# Altium PCB mantarray_beta2_sensor_arrayed.PcbDoc (part 12 of 14)
Units mil, origin at the board's own origin, x right, y up, seen from the top; angles counter-clockwise.
Board outline 6232.47 x 10167.51 mil, 8 copper layers (Layer1_Top, Layer2_sig1, Layer3_AVDD_PLANE, Layer4_GND_PLANE, Layer5_DVDD_PLANE, Layer6_BUS, Layer7_sig2, Layer8_BOT), stack 50.224 mil thick; 470 components, 492 nets, 4650 pads, 3798 vias.
Unrouted connection lines stored in the file: 3.
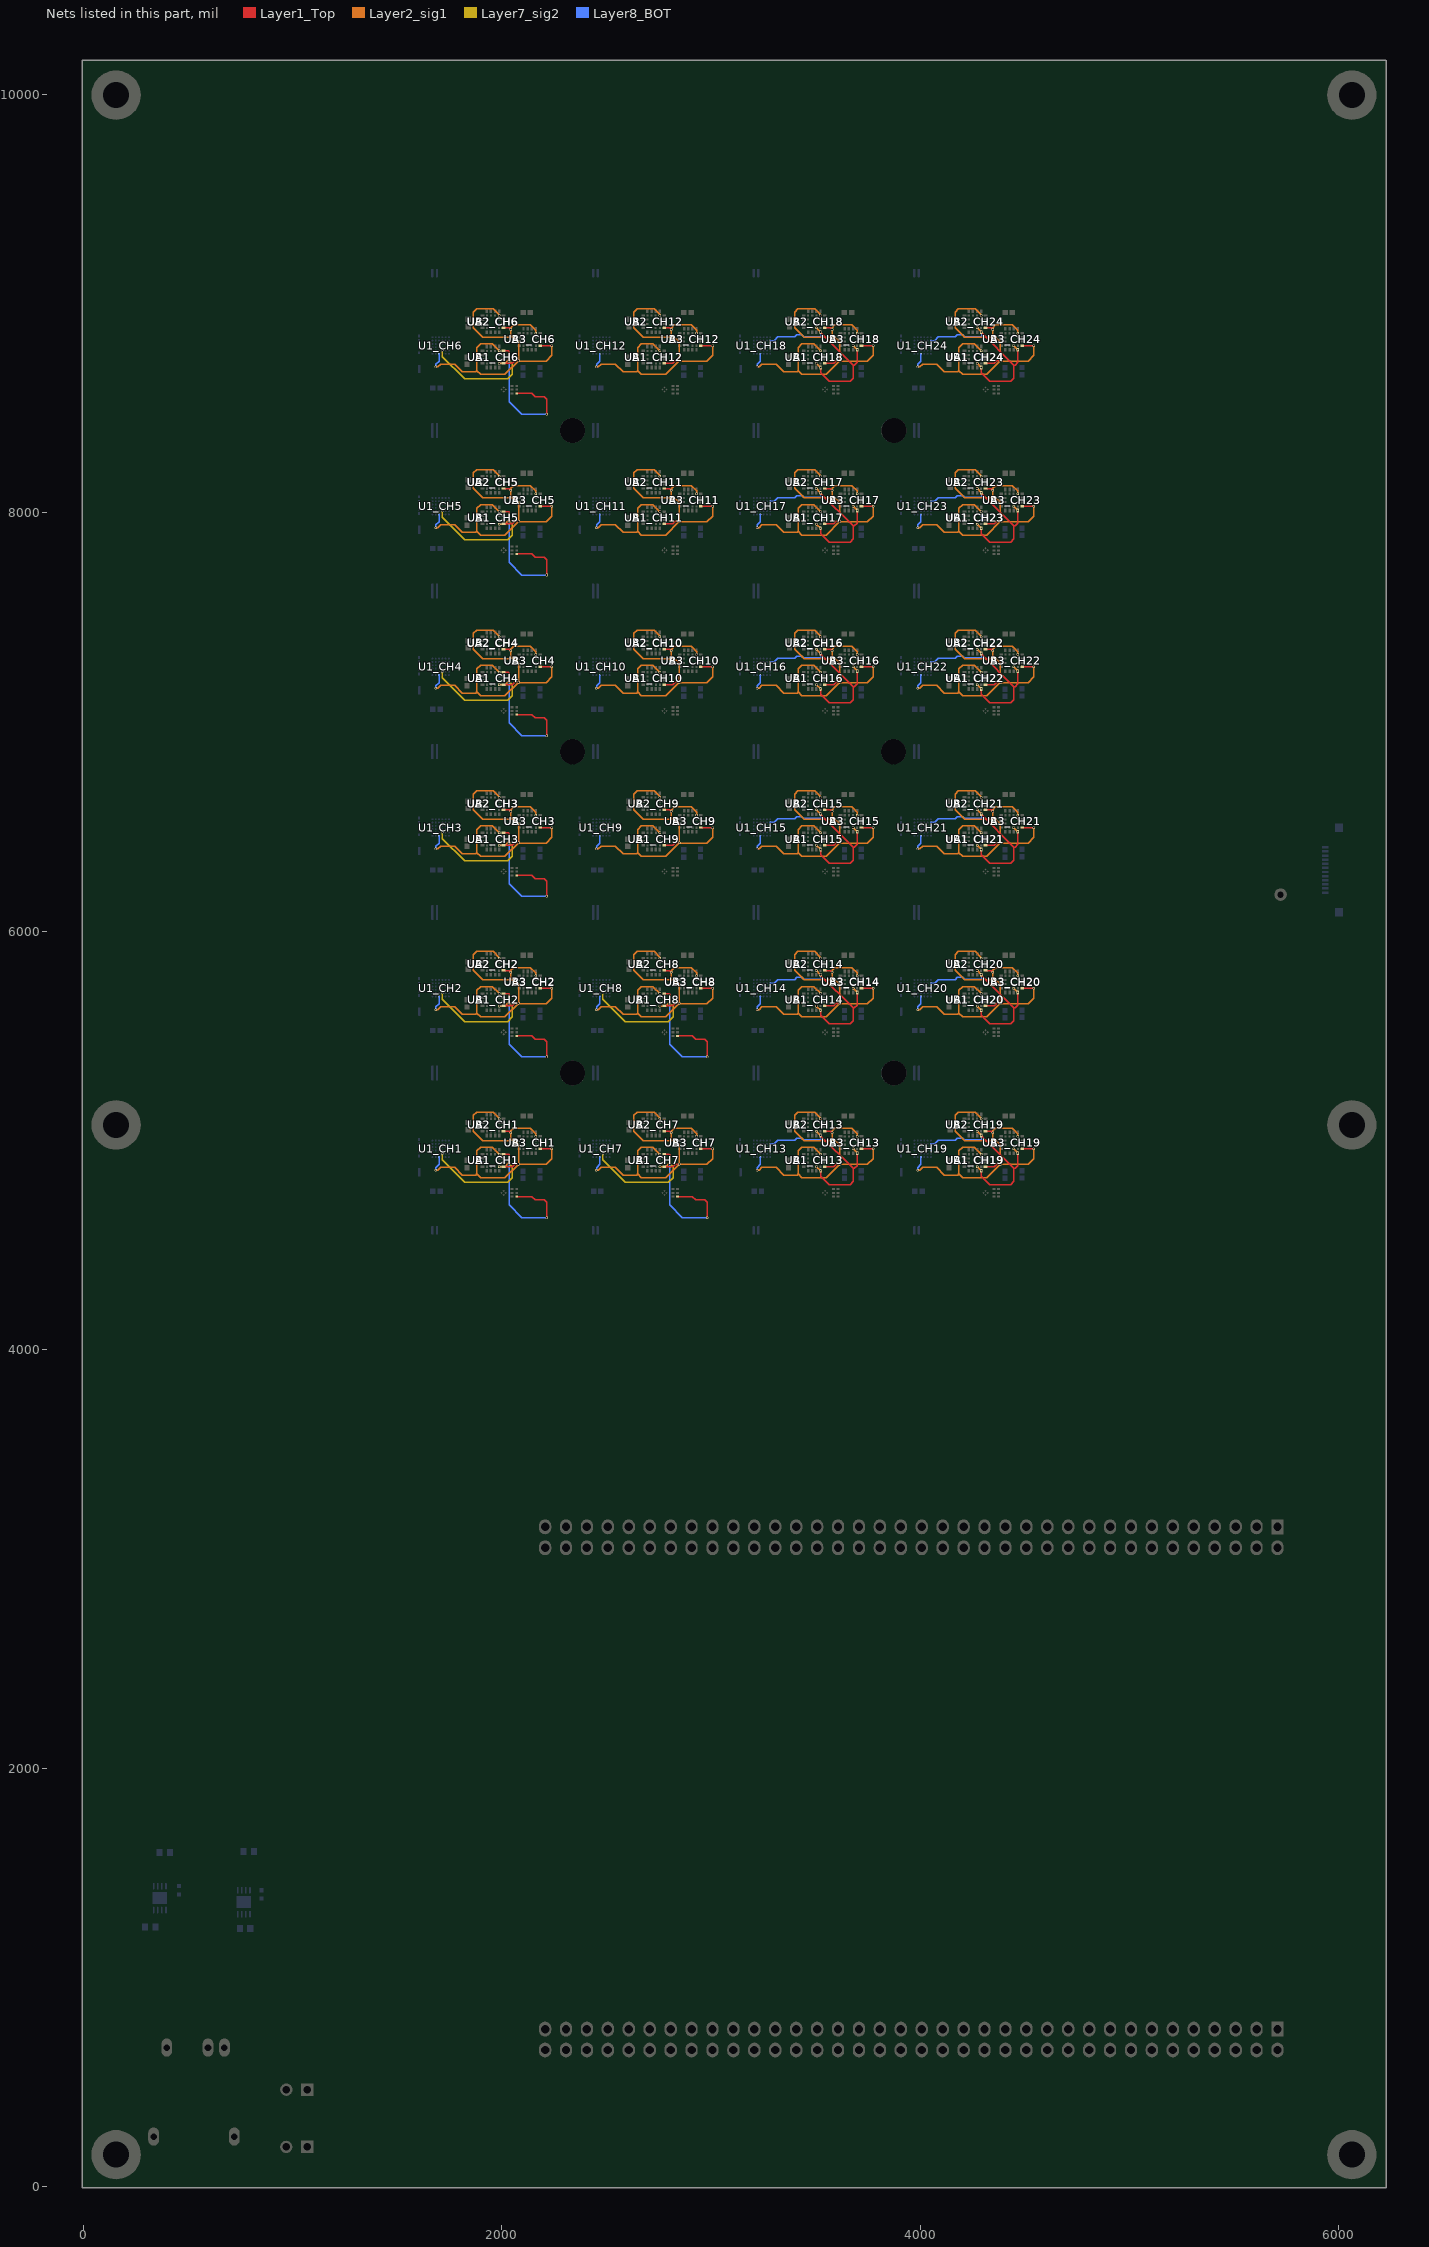
[diagram p18: the nets of this part, all layers, seen from the top]

## Via types
v1: diameter 12/12/12/12/12 (per signal layer), hole 7.87, Layer1_Top to Layer8_BOT, 2208 vias
v2: diameter 32, hole 20, Layer1_Top to Layer8_BOT, 815 vias
v3: diameter 10/10/10/10/10 (per signal layer), hole 7.87, Layer1_Top to Layer8_BOT, 456 vias
v4: diameter 18, hole 8, Layer6_BUS to Layer7_sig2, 102 vias
v5: diameter 10/10 (per signal layer), hole 7.87, Layer7_sig2 to Layer8_BOT, 96 vias
v6: diameter 18, hole 16, Layer1_Top to Layer8_BOT, 57 vias
v7: diameter 12, hole 7.87, Layer1_Top to Layer8_BOT, 26 vias
v8: diameter 18, hole 8, Layer1_Top to Layer8_BOT, 17 vias
v9: diameter 32, hole 16, Layer1_Top to Layer8_BOT, 10 vias
v10: diameter 19.68, hole 7.87, Layer1_Top to Layer8_BOT, 4 vias
v11: diameter 30, hole 20, Layer1_Top to Layer8_BOT, 3 vias
v12: diameter 70.87, hole 47.24, Layer1_Top to Layer8_BOT, 2 vias
v13: diameter 20, hole 16, Layer3_AVDD_PLANE to Layer8_BOT, 1 vias
v14: diameter 20, hole 16, Layer5_DVDD_PLANE to Layer8_BOT, 1 vias

## Nets (pads, with @x,y where several pads share a name; then routed paths per layer and width w, separated by ;. In a path a pad name is that pad's centre, name@x,y a point inside that pad or via, vN(x,y) a via of type N, cw(c..) or ccw(c..) an arc to the next point about the centre after c; other vN are vias at no path point) (continued)
spi1_mosi_CH13: U1_CH13.B1 UA1_CH13.9 UA2_CH13.9 UA3_CH13.9 UB1_CH13.16 UB2_CH13.16 UB3_CH13.16 | length 941.5
  Layer1_Top w6: v1(3523.62,5025.59) 3523.62,5023.52 3680.53,4866.6 ; v1(3524.12,4855.73) 3524.12,4830.22 3564.96,4789.37 3665.35,4789.37 3680.53,4804.55 3680.53,4866.6 ; v1(3698.82,4940.94) 3698.82,4879.92 3685.5,4866.6 3680.53,4866.6
  Layer2_sig1 w6: v1(3503.94,5045.28) v1(3523.62,5025.59) ; v1(3504.43,4875.21) 3504.53,4875.21 3524.01,4855.73 v1(3524.12,4855.73) ; v1(3679.13,4960.63) v1(3698.82,4940.94)
  Layer8_BOT w6: U1_CH13.B1@3283.46,4984.25 3284,4984.79 3301.72,4984.79 3318.9,5001.97 3399.61,5001.97 3409.45,5011.81 3435.04,5011.81 3436.99,5009.86 3442.91,5003.94 3527.56,5003.94 3527.56,5021.65 v1(3523.62,5025.59)
spi1_mosi_CH14: U1_CH14.B1 UA1_CH14.9 UA2_CH14.9 UA3_CH14.9 UB1_CH14.16 UB2_CH14.16 UB3_CH14.16 | length 941.5
  Layer1_Top w6: v1(3523.62,5793.31) 3523.62,5791.23 3680.53,5634.32 ; v1(3524.12,5623.44) 3524.12,5597.93 3564.96,5557.09 3665.35,5557.09 3680.53,5572.26 3680.53,5634.32 ; v1(3698.82,5708.66) 3698.82,5647.64 3685.5,5634.32 3680.53,5634.32
  Layer2_sig1 w6: v1(3503.94,5812.99) v1(3523.62,5793.31) ; v1(3504.43,5642.92) 3504.53,5642.92 3524.01,5623.44 v1(3524.12,5623.44) ; v1(3679.13,5728.35) v1(3698.82,5708.66)
  Layer8_BOT w6: U1_CH14.B1@3283.46,5751.97 3284,5752.51 3301.72,5752.51 3318.9,5769.69 3399.61,5769.69 3409.45,5779.53 3435.04,5779.53 3436.99,5777.58 3442.91,5771.65 3527.56,5771.65 3527.56,5789.37 v1(3523.62,5793.31)
spi1_mosi_CH15: U1_CH15.B1 UA1_CH15.9 UA2_CH15.9 UA3_CH15.9 UB1_CH15.16 UB2_CH15.16 UB3_CH15.16 | length 941.5
  Layer1_Top w6: v1(3523.62,6561.02) 3523.62,6558.95 3680.53,6402.04 ; v1(3524.12,6391.16) 3524.12,6365.65 3564.96,6324.8 3665.35,6324.8 3680.53,6339.98 3680.53,6402.04 ; v1(3698.82,6476.38) 3698.82,6415.35 3685.5,6402.04 3680.53,6402.04
  Layer2_sig1 w6: v1(3503.94,6580.71) v1(3523.62,6561.02) ; v1(3504.43,6410.64) 3504.53,6410.64 3524.01,6391.16 v1(3524.12,6391.16) ; v1(3679.13,6496.06) v1(3698.82,6476.38)
  Layer8_BOT w6: U1_CH15.B1@3283.46,6519.68 3284,6520.22 3301.72,6520.22 3318.9,6537.4 3399.61,6537.4 3409.45,6547.24 3435.04,6547.24 3436.99,6545.29 3442.91,6539.37 3527.56,6539.37 3527.56,6557.09 v1(3523.62,6561.02)
spi1_mosi_CH16: U1_CH16.B1 UA1_CH16.9 UA2_CH16.9 UA3_CH16.9 UB1_CH16.16 UB2_CH16.16 UB3_CH16.16 | length 941.5
  Layer1_Top w6: v1(3523.62,7328.74) 3523.62,7326.66 3680.53,7169.75 ; v1(3524.12,7158.88) 3524.12,7133.37 3564.96,7092.52 3665.35,7092.52 3680.53,7107.7 3680.53,7169.75 ; v1(3698.82,7244.09) 3698.82,7183.07 3685.5,7169.75 3680.53,7169.75
  Layer2_sig1 w6: v1(3503.94,7348.43) v1(3523.62,7328.74) ; v1(3504.43,7178.36) 3504.53,7178.36 3524.01,7158.88 v1(3524.12,7158.88) ; v1(3679.13,7263.78) v1(3698.82,7244.09)
  Layer8_BOT w6: U1_CH16.B1@3283.46,7287.4 3284,7287.94 3301.72,7287.94 3318.9,7305.12 3399.61,7305.12 3409.45,7314.96 3435.04,7314.96 3436.99,7313.01 3442.91,7307.09 3527.56,7307.09 3527.56,7324.8 v1(3523.62,7328.74)
spi1_mosi_CH17: U1_CH17.B1 UA1_CH17.9 UA2_CH17.9 UA3_CH17.9 UB1_CH17.16 UB2_CH17.16 UB3_CH17.16 | length 941.5
  Layer1_Top w6: v1(3523.62,8096.46) 3523.62,8094.38 3680.53,7937.47 ; v1(3524.12,7926.59) 3524.12,7901.08 3564.96,7860.24 3665.35,7860.24 3680.53,7875.41 3680.53,7937.47 ; v1(3698.82,8011.81) 3698.82,7950.79 3685.5,7937.47 3680.53,7937.47
  Layer2_sig1 w6: v1(3503.94,8116.14) v1(3523.62,8096.46) ; v1(3504.43,7946.07) 3504.53,7946.07 3524.01,7926.59 v1(3524.12,7926.59) ; v1(3679.13,8031.5) v1(3698.82,8011.81)
  Layer8_BOT w6: U1_CH17.B1@3283.46,8055.12 3284,8055.66 3301.72,8055.66 3318.9,8072.83 3399.61,8072.83 3409.45,8082.68 3435.04,8082.68 3436.99,8080.73 3442.91,8074.8 3527.56,8074.8 3527.56,8092.52 v1(3523.62,8096.46)
spi1_mosi_CH18: U1_CH18.B1 UA1_CH18.9 UA2_CH18.9 UA3_CH18.9 UB1_CH18.16 UB2_CH18.16 UB3_CH18.16 | length 941.5
  Layer1_Top w6: v1(3523.62,8864.17) 3523.62,8862.1 3680.53,8705.19 ; v1(3524.12,8694.31) 3524.12,8668.8 3564.96,8627.95 3665.35,8627.95 3680.53,8643.13 3680.53,8705.19 ; v1(3698.82,8779.53) 3698.82,8718.5 3685.5,8705.19 3680.53,8705.19
  Layer2_sig1 w6: v1(3503.94,8883.86) v1(3523.62,8864.17) ; v1(3504.43,8713.79) 3504.53,8713.79 3524.01,8694.31 v1(3524.12,8694.31) ; v1(3679.13,8799.21) v1(3698.82,8779.53)
  Layer8_BOT w6: U1_CH18.B1@3283.46,8822.83 3284,8823.37 3301.72,8823.37 3318.9,8840.55 3399.61,8840.55 3409.45,8850.39 3435.04,8850.39 3436.99,8848.44 3442.91,8842.52 3527.56,8842.52 3527.56,8860.24 v1(3523.62,8864.17)
spi1_mosi_CH19: U1_CH19.B1 UA1_CH19.9 UA2_CH19.9 UA3_CH19.9 UB1_CH19.16 UB2_CH19.16 UB3_CH19.16 | length 941.5
  Layer1_Top w6: v1(4291.34,5025.59) 4291.34,5023.52 4448.25,4866.6 ; v1(4291.83,4855.73) 4291.83,4830.22 4332.68,4789.37 4433.07,4789.37 4448.25,4804.55 4448.25,4866.6 ; v1(4466.54,4940.94) 4466.54,4879.92 4453.22,4866.6 4448.25,4866.6
  Layer2_sig1 w6: v1(4271.65,5045.28) v1(4291.34,5025.59) ; v1(4272.15,4875.21) 4272.25,4875.21 4291.73,4855.73 v1(4291.83,4855.73) ; v1(4446.85,4960.63) v1(4466.54,4940.94)
  Layer8_BOT w6: U1_CH19.B1@4051.18,4984.25 4051.72,4984.79 4069.44,4984.79 4086.61,5001.97 4167.32,5001.97 4177.17,5011.81 4202.76,5011.81 4204.71,5009.86 4210.63,5003.94 4295.28,5003.94 4295.28,5021.65 v1(4291.34,5025.59)
spi1_mosi_CH20: U1_CH20.B1 UA1_CH20.9 UA2_CH20.9 UA3_CH20.9 UB1_CH20.16 UB2_CH20.16 UB3_CH20.16 | length 941.5
  Layer1_Top w6: v1(4291.34,5793.31) 4291.34,5791.23 4448.25,5634.32 ; v1(4291.83,5623.44) 4291.83,5597.93 4332.68,5557.09 4433.07,5557.09 4448.25,5572.26 4448.25,5634.32 ; v1(4466.54,5708.66) 4466.54,5647.64 4453.22,5634.32 4448.25,5634.32
  Layer2_sig1 w6: v1(4271.65,5812.99) v1(4291.34,5793.31) ; v1(4272.15,5642.92) 4272.25,5642.92 4291.73,5623.44 v1(4291.83,5623.44) ; v1(4446.85,5728.35) v1(4466.54,5708.66)
  Layer8_BOT w6: U1_CH20.B1@4051.18,5751.97 4051.72,5752.51 4069.44,5752.51 4086.61,5769.69 4167.32,5769.69 4177.17,5779.53 4202.76,5779.53 4204.71,5777.58 4210.63,5771.65 4295.28,5771.65 4295.28,5789.37 v1(4291.34,5793.31)
spi1_mosi_CH21: U1_CH21.B1 UA1_CH21.9 UA2_CH21.9 UA3_CH21.9 UB1_CH21.16 UB2_CH21.16 UB3_CH21.16 | length 941.5
  Layer1_Top w6: v1(4291.34,6561.02) 4291.34,6558.95 4448.25,6402.04 ; v1(4291.83,6391.16) 4291.83,6365.65 4332.68,6324.8 4433.07,6324.8 4448.25,6339.98 4448.25,6402.04 ; v1(4466.54,6476.38) 4466.54,6415.35 4453.22,6402.04 4448.25,6402.04
  Layer2_sig1 w6: v1(4271.65,6580.71) v1(4291.34,6561.02) ; v1(4272.15,6410.64) 4272.25,6410.64 4291.73,6391.16 v1(4291.83,6391.16) ; v1(4446.85,6496.06) v1(4466.54,6476.38)
  Layer8_BOT w6: U1_CH21.B1@4051.18,6519.68 4051.72,6520.22 4069.44,6520.22 4086.61,6537.4 4167.32,6537.4 4177.17,6547.24 4202.76,6547.24 4204.71,6545.29 4210.63,6539.37 4295.28,6539.37 4295.28,6557.09 v1(4291.34,6561.02)
spi1_mosi_CH22: U1_CH22.B1 UA1_CH22.9 UA2_CH22.9 UA3_CH22.9 UB1_CH22.16 UB2_CH22.16 UB3_CH22.16 | length 941.5
  Layer1_Top w6: v1(4291.34,7328.74) 4291.34,7326.66 4448.25,7169.75 ; v1(4291.83,7158.88) 4291.83,7133.37 4332.68,7092.52 4433.07,7092.52 4448.25,7107.7 4448.25,7169.75 ; v1(4466.54,7244.09) 4466.54,7183.07 4453.22,7169.75 4448.25,7169.75
  Layer2_sig1 w6: v1(4271.65,7348.43) v1(4291.34,7328.74) ; v1(4272.15,7178.36) 4272.25,7178.36 4291.73,7158.88 v1(4291.83,7158.88) ; v1(4446.85,7263.78) v1(4466.54,7244.09)
  Layer8_BOT w6: U1_CH22.B1@4051.18,7287.4 4051.72,7287.94 4069.44,7287.94 4086.61,7305.12 4167.32,7305.12 4177.17,7314.96 4202.76,7314.96 4204.71,7313.01 4210.63,7307.09 4295.28,7307.09 4295.28,7324.8 v1(4291.34,7328.74)
spi1_mosi_CH23: U1_CH23.B1 UA1_CH23.9 UA2_CH23.9 UA3_CH23.9 UB1_CH23.16 UB2_CH23.16 UB3_CH23.16 | length 941.5
  Layer1_Top w6: v1(4291.34,8096.46) 4291.34,8094.38 4448.25,7937.47 ; v1(4291.83,7926.59) 4291.83,7901.08 4332.68,7860.24 4433.07,7860.24 4448.25,7875.41 4448.25,7937.47 ; v1(4466.54,8011.81) 4466.54,7950.79 4453.22,7937.47 4448.25,7937.47
  Layer2_sig1 w6: v1(4271.65,8116.14) v1(4291.34,8096.46) ; v1(4272.15,7946.07) 4272.25,7946.07 4291.73,7926.59 v1(4291.83,7926.59) ; v1(4446.85,8031.5) v1(4466.54,8011.81)
  Layer8_BOT w6: U1_CH23.B1@4051.18,8055.12 4051.72,8055.66 4069.44,8055.66 4086.61,8072.83 4167.32,8072.83 4177.17,8082.68 4202.76,8082.68 4204.71,8080.73 4210.63,8074.8 4295.28,8074.8 4295.28,8092.52 v1(4291.34,8096.46)
spi1_mosi_CH24: U1_CH24.B1 UA1_CH24.9 UA2_CH24.9 UA3_CH24.9 UB1_CH24.16 UB2_CH24.16 UB3_CH24.16 | length 941.5
  Layer1_Top w6: v1(4291.34,8864.17) 4291.34,8862.1 4448.25,8705.19 ; v1(4291.83,8694.31) 4291.83,8668.8 4332.68,8627.95 4433.07,8627.95 4448.25,8643.13 4448.25,8705.19 ; v1(4466.54,8779.53) 4466.54,8718.5 4453.22,8705.19 4448.25,8705.19
  Layer2_sig1 w6: v1(4271.65,8883.86) v1(4291.34,8864.17) ; v1(4272.15,8713.79) 4272.25,8713.79 4291.73,8694.31 v1(4291.83,8694.31) ; v1(4446.85,8799.21) v1(4466.54,8779.53)
  Layer8_BOT w6: U1_CH24.B1@4051.18,8822.83 4051.72,8823.37 4069.44,8823.37 4086.61,8840.55 4167.32,8840.55 4177.17,8850.39 4202.76,8850.39 4204.71,8848.44 4210.63,8842.52 4295.28,8842.52 4295.28,8860.24 v1(4291.34,8864.17)
spi1_sck_CH1: U1_CH1.F4 UA1_CH1.1 UA2_CH1.1 UA3_CH1.1 UB1_CH1.1 UB2_CH1.1 UB3_CH1.1 | length 1921.8
  Layer1_Top w6: UB2_CH1.1@2008.16,5044.99 2035.72,5044.99 v1(2043.31,5037.4) ; UB1_CH1.1@2008.65,4875.7 2050.9,4875.7 2062.99,4887.8 v1(2080.71,4887.8) ; UA3_CH1.1@2163.39,5019.89 UA3_CH1.1@2164.61,5019.89 ; UB3_CH1.1@2183.07,4960.34 2239.87,4960.34 v1(2240.16,4960.63)
  Layer2_sig1 w6: v1(1685.04,4858.27) 1694.88,4858.27 1708.66,4872.05 1775.59,4872.05 1812.21,4835.43 1876.76,4835.43 1881.89,4840.55 ; v1(1988.19,5104.33) 1987.04,5105.48 1987.04,5109.42 1960.63,5135.83 1879.92,5135.83 1864.17,5120.08 1864.17,5045.28 1909.45,5000 2039.79,5000 2041.55,5001.76 ; v1(1988.68,4935.25) 1955.43,4968.5 1899.61,4968.5 1881.89,4950.79 1881.89,4840.55 ; 2043.31,5001.76 2043.31,5021.65 ; v1@2043.31,5035.78 2043.31,5034.96 2043.31,5021.65 ; v1(2043.31,5037.4) 2044.12,5038.21 2044.12,5045.8 2057.37,5059.06 2137.8,5059.06 2163.39,5033.46 v1(2163.39,5019.69) ; v1@2082.68,4889.34 2086.19,4885.83 2212.6,4885.83 2240.16,4913.39 v1(2240.16,4960.63) ; 1881.89,4840.55 1899.61,4822.83 2015.75,4822.83 v1(2080.71,4887.8) 2080.71,4979.01 2068.38,4991.35 2064.96,4991.35 2054.55,5001.76 2041.55,5001.76 ; 2041.55,5001.76 2043.31,5003.51 2043.31,5021.65
  Layer8_BOT w6: v1(1685.04,4858.27) 1686.12,4859.35 1686.12,4871.16 1700.79,4885.83 U1_CH1.F4@1700.79,4921.26
spi1_sck_CH2: U1_CH2.F4 UA1_CH2.1 UA2_CH2.1 UA3_CH2.1 UB1_CH2.1 UB2_CH2.1 UB3_CH2.1 | length 1921.8
  Layer1_Top w6: UB2_CH2.1@2008.16,5812.7 2035.72,5812.7 v1(2043.31,5805.12) ; UB1_CH2.1@2008.65,5643.42 2050.9,5643.42 2062.99,5655.51 v1(2080.71,5655.51) ; UA3_CH2.1@2163.39,5787.61 UA3_CH2.1@2164.61,5787.61 ; UB3_CH2.1@2183.07,5728.06 2239.87,5728.06 v1(2240.16,5728.35)
  Layer2_sig1 w6: v1(1685.04,5625.98) 1694.88,5625.98 1708.66,5639.76 1775.59,5639.76 1812.21,5603.14 1876.76,5603.14 1881.89,5608.27 ; v1(1988.19,5872.05) 1987.04,5873.2 1987.04,5877.13 1960.63,5903.54 1879.92,5903.54 1864.17,5887.8 1864.17,5812.99 1909.45,5767.72 2039.79,5767.72 2041.55,5769.47 ; v1(1988.68,5702.96) 1955.43,5736.22 1899.61,5736.22 1881.89,5718.5 1881.89,5608.27 ; 2043.31,5769.47 2043.31,5789.37 ; v1@2043.31,5803.49 2043.31,5802.68 2043.31,5789.37 ; v1(2043.31,5805.12) 2044.12,5805.93 2044.12,5813.52 2057.37,5826.77 2137.8,5826.77 2163.39,5801.18 v1(2163.39,5787.4) ; v1@2082.68,5657.06 2086.19,5653.54 2212.6,5653.54 2240.16,5681.1 v1(2240.16,5728.35) ; 1881.89,5608.27 1899.61,5590.55 2015.75,5590.55 v1(2080.71,5655.51) 2080.71,5746.73 2068.38,5759.06 2064.96,5759.06 2054.55,5769.47 2041.55,5769.47 ; 2041.55,5769.47 2043.31,5771.23 2043.31,5789.37
  Layer8_BOT w6: v1(1685.04,5625.98) 1686.12,5627.06 1686.12,5638.87 1700.79,5653.54 U1_CH2.F4@1700.79,5688.98
spi1_sck_CH3: U1_CH3.F4 UA1_CH3.1 UA2_CH3.1 UA3_CH3.1 UB1_CH3.1 UB2_CH3.1 UB3_CH3.1 | length 1921.8
  Layer1_Top w6: UB2_CH3.1@2008.16,6580.42 2035.72,6580.42 v1(2043.31,6572.83) ; UB1_CH3.1@2008.65,6411.14 2050.9,6411.14 2062.99,6423.23 v1(2080.71,6423.23) ; UA3_CH3.1@2163.39,6555.32 UA3_CH3.1@2164.61,6555.32 ; UB3_CH3.1@2183.07,6495.77 2239.87,6495.77 v1(2240.16,6496.06)
  Layer2_sig1 w6: v1(1685.04,6393.7) 1694.88,6393.7 1708.66,6407.48 1775.59,6407.48 1812.21,6370.86 1876.76,6370.86 1881.89,6375.98 ; v1(1988.19,6639.76) 1987.04,6640.91 1987.04,6644.85 1960.63,6671.26 1879.92,6671.26 1864.17,6655.51 1864.17,6580.71 1909.45,6535.43 2039.79,6535.43 2041.55,6537.19 ; v1(1988.68,6470.68) 1955.43,6503.94 1899.61,6503.94 1881.89,6486.22 1881.89,6375.98 ; 2043.31,6537.19 2043.31,6557.09 ; v1@2043.31,6571.21 2043.31,6570.4 2043.31,6557.09 ; v1(2043.31,6572.83) 2044.12,6573.65 2044.12,6581.23 2057.37,6594.49 2137.8,6594.49 2163.39,6568.9 v1(2163.39,6555.12) ; v1@2082.68,6424.77 2086.19,6421.26 2212.6,6421.26 2240.16,6448.82 v1(2240.16,6496.06) ; 1881.89,6375.98 1899.61,6358.27 2015.75,6358.27 v1(2080.71,6423.23) 2080.71,6514.45 2068.38,6526.78 2064.96,6526.78 2054.55,6537.19 2041.55,6537.19 ; 2041.55,6537.19 2043.31,6538.95 2043.31,6557.09
  Layer8_BOT w6: v1(1685.04,6393.7) 1686.12,6394.78 1686.12,6406.59 1700.79,6421.26 U1_CH3.F4@1700.79,6456.69
spi1_sck_CH4: U1_CH4.F4 UA1_CH4.1 UA2_CH4.1 UA3_CH4.1 UB1_CH4.1 UB2_CH4.1 UB3_CH4.1 | length 1921.8
  Layer1_Top w6: UB2_CH4.1@2008.16,7348.14 2035.72,7348.14 v1(2043.31,7340.55) ; UB1_CH4.1@2008.65,7178.85 2050.9,7178.85 2062.99,7190.94 v1(2080.71,7190.94) ; UA3_CH4.1@2163.39,7323.04 UA3_CH4.1@2164.61,7323.04 ; UB3_CH4.1@2183.07,7263.49 2239.87,7263.49 v1(2240.16,7263.78)
  Layer2_sig1 w6: v1(1685.04,7161.42) 1694.88,7161.42 1708.66,7175.2 1775.59,7175.2 1812.21,7138.57 1876.76,7138.57 1881.89,7143.7 ; v1(1988.19,7407.48) 1987.04,7408.63 1987.04,7412.57 1960.63,7438.98 1879.92,7438.98 1864.17,7423.23 1864.17,7348.43 1909.45,7303.15 2039.79,7303.15 2041.55,7304.91 ; v1(1988.68,7238.4) 1955.43,7271.65 1899.61,7271.65 1881.89,7253.94 1881.89,7143.7 ; 2043.31,7304.91 2043.31,7324.8 ; v1@2043.31,7338.93 2043.31,7338.11 2043.31,7324.8 ; v1(2043.31,7340.55) 2044.12,7341.36 2044.12,7348.95 2057.37,7362.2 2137.8,7362.2 2163.39,7336.61 v1(2163.39,7322.83) ; v1@2082.68,7192.49 2086.19,7188.98 2212.6,7188.98 2240.16,7216.54 v1(2240.16,7263.78) ; 1881.89,7143.7 1899.61,7125.98 2015.75,7125.98 v1(2080.71,7190.94) 2080.71,7282.16 2068.38,7294.5 2064.96,7294.5 2054.55,7304.91 2041.55,7304.91 ; 2041.55,7304.91 2043.31,7306.66 2043.31,7324.8
  Layer8_BOT w6: v1(1685.04,7161.42) 1686.12,7162.5 1686.12,7174.31 1700.79,7188.98 U1_CH4.F4@1700.79,7224.41
spi1_sck_CH5: U1_CH5.F4 UA1_CH5.1 UA2_CH5.1 UA3_CH5.1 UB1_CH5.1 UB2_CH5.1 UB3_CH5.1 | length 1921.8
  Layer1_Top w6: UB2_CH5.1@2008.16,8115.85 2035.72,8115.85 v1(2043.31,8108.27) ; UB1_CH5.1@2008.65,7946.57 2050.9,7946.57 2062.99,7958.66 v1(2080.71,7958.66) ; UA3_CH5.1@2163.39,8090.76 UA3_CH5.1@2164.61,8090.76 ; UB3_CH5.1@2183.07,8031.21 2239.87,8031.21 v1(2240.16,8031.5)
  Layer2_sig1 w6: v1(1685.04,7929.13) 1694.88,7929.13 1708.66,7942.91 1775.59,7942.91 1812.21,7906.29 1876.76,7906.29 1881.89,7911.42 ; v1(1988.19,8175.2) 1987.04,8176.34 1987.04,8180.28 1960.63,8206.69 1879.92,8206.69 1864.17,8190.94 1864.17,8116.14 1909.45,8070.87 2039.79,8070.87 2041.55,8072.62 ; v1(1988.68,8006.11) 1955.43,8039.37 1899.61,8039.37 1881.89,8021.65 1881.89,7911.42 ; 2043.31,8072.62 2043.31,8092.52 ; v1@2043.31,8106.64 2043.31,8105.83 2043.31,8092.52 ; v1(2043.31,8108.27) 2044.12,8109.08 2044.12,8116.67 2057.37,8129.92 2137.8,8129.92 2163.39,8104.33 v1(2163.39,8090.55) ; v1@2082.68,7960.21 2086.19,7956.69 2212.6,7956.69 2240.16,7984.25 v1(2240.16,8031.5) ; 1881.89,7911.42 1899.61,7893.7 2015.75,7893.7 v1(2080.71,7958.66) 2080.71,8049.88 2068.38,8062.21 2064.96,8062.21 2054.55,8072.62 2041.55,8072.62 ; 2041.55,8072.62 2043.31,8074.38 2043.31,8092.52
  Layer8_BOT w6: v1(1685.04,7929.13) 1686.12,7930.21 1686.12,7942.02 1700.79,7956.69 U1_CH5.F4@1700.79,7992.13
spi1_sck_CH6: U1_CH6.F4 UA1_CH6.1 UA2_CH6.1 UA3_CH6.1 UB1_CH6.1 UB2_CH6.1 UB3_CH6.1 | length 1921.8
  Layer1_Top w6: UB2_CH6.1@2008.16,8883.57 2035.72,8883.57 v1(2043.31,8875.98) ; UB1_CH6.1@2008.65,8714.28 2050.9,8714.28 2062.99,8726.38 v1(2080.71,8726.38) ; UA3_CH6.1@2163.39,8858.47 UA3_CH6.1@2164.61,8858.47 ; UB3_CH6.1@2183.07,8798.92 2239.87,8798.92 v1(2240.16,8799.21)
  Layer2_sig1 w6: v1(1685.04,8696.85) 1694.88,8696.85 1708.66,8710.63 1775.59,8710.63 1812.21,8674.01 1876.76,8674.01 1881.89,8679.13 ; v1(1988.19,8942.91) 1987.04,8944.06 1987.04,8948 1960.63,8974.41 1879.92,8974.41 1864.17,8958.66 1864.17,8883.86 1909.45,8838.58 2039.79,8838.58 2041.55,8840.34 ; v1(1988.68,8773.83) 1955.43,8807.09 1899.61,8807.09 1881.89,8789.37 1881.89,8679.13 ; 2043.31,8840.34 2043.31,8860.24 ; v1@2043.31,8874.36 2043.31,8873.55 2043.31,8860.24 ; v1(2043.31,8875.98) 2044.12,8876.8 2044.12,8884.38 2057.37,8897.64 2137.8,8897.64 2163.39,8872.05 v1(2163.39,8858.27) ; v1@2082.68,8727.92 2086.19,8724.41 2212.6,8724.41 2240.16,8751.97 v1(2240.16,8799.21) ; 1881.89,8679.13 1899.61,8661.42 2015.75,8661.42 v1(2080.71,8726.38) 2080.71,8817.6 2068.38,8829.93 2064.96,8829.93 2054.55,8840.34 2041.55,8840.34 ; 2041.55,8840.34 2043.31,8842.1 2043.31,8860.24
  Layer8_BOT w6: v1(1685.04,8696.85) 1686.12,8697.93 1686.12,8709.74 1700.79,8724.41 U1_CH6.F4@1700.79,8759.84
spi1_sck_CH7: U1_CH7.F4 UA1_CH7.1 UA2_CH7.1 UA3_CH7.1 UB1_CH7.1 UB2_CH7.1 UB3_CH7.1 | length 1921.8
  Layer1_Top w6: UB2_CH7.1@2775.88,5044.99 2803.44,5044.99 v1(2811.02,5037.4) ; UB1_CH7.1@2776.37,4875.7 2818.62,4875.7 2830.71,4887.8 v1(2848.43,4887.8) ; UA3_CH7.1@2931.1,5019.89 UA3_CH7.1@2932.33,5019.89 ; UB3_CH7.1@2950.79,4960.34 3007.59,4960.34 v1(3007.87,4960.63)
  Layer2_sig1 w6: v1(2452.76,4858.27) 2462.6,4858.27 2476.38,4872.05 2543.31,4872.05 2579.93,4835.43 2644.48,4835.43 2649.61,4840.55 ; v1(2755.91,5104.33) 2754.76,5105.48 2754.76,5109.42 2728.35,5135.83 2647.64,5135.83 2631.89,5120.08 2631.89,5045.28 2677.17,5000 2807.51,5000 2809.27,5001.76 ; v1(2756.4,4935.25) 2723.14,4968.5 2667.32,4968.5 2649.61,4950.79 2649.61,4840.55 ; 2811.02,5001.76 2811.02,5021.65 ; v1@2811.02,5035.78 2811.02,5034.96 2811.02,5021.65 ; v1(2811.02,5037.4) 2811.84,5038.21 2811.84,5045.8 2825.09,5059.06 2905.51,5059.06 2931.1,5033.46 v1(2931.1,5019.69) ; v1@2850.39,4889.34 2853.91,4885.83 2980.32,4885.83 3007.87,4913.39 v1(3007.87,4960.63) ; 2649.61,4840.55 2667.32,4822.83 2783.46,4822.83 v1(2848.43,4887.8) 2848.43,4979.01 2836.09,4991.35 2832.68,4991.35 2822.27,5001.76 2809.27,5001.76 ; 2809.27,5001.76 2811.02,5003.51 2811.02,5021.65
  Layer8_BOT w6: v1(2452.76,4858.27) 2453.84,4859.35 2453.84,4871.16 2468.5,4885.83 U1_CH7.F4@2468.5,4921.26
spi1_sck_CH8: U1_CH8.F4 UA1_CH8.1 UA2_CH8.1 UA3_CH8.1 UB1_CH8.1 UB2_CH8.1 UB3_CH8.1 | length 1921.8
  Layer1_Top w6: UB2_CH8.1@2775.88,5812.7 2803.44,5812.7 v1(2811.02,5805.12) ; UB1_CH8.1@2776.37,5643.42 2818.62,5643.42 2830.71,5655.51 v1(2848.43,5655.51) ; UA3_CH8.1@2931.1,5787.61 UA3_CH8.1@2932.33,5787.61 ; UB3_CH8.1@2950.79,5728.06 3007.59,5728.06 v1(3007.87,5728.35)
  Layer2_sig1 w6: v1(2452.76,5625.98) 2462.6,5625.98 2476.38,5639.76 2543.31,5639.76 2579.93,5603.14 2644.48,5603.14 2649.61,5608.27 ; v1(2755.91,5872.05) 2754.76,5873.2 2754.76,5877.13 2728.35,5903.54 2647.64,5903.54 2631.89,5887.8 2631.89,5812.99 2677.17,5767.72 2807.51,5767.72 2809.27,5769.47 ; v1(2756.4,5702.96) 2723.14,5736.22 2667.32,5736.22 2649.61,5718.5 2649.61,5608.27 ; 2811.02,5769.47 2811.02,5789.37 ; v1@2811.02,5803.49 2811.02,5802.68 2811.02,5789.37 ; v1(2811.02,5805.12) 2811.84,5805.93 2811.84,5813.52 2825.09,5826.77 2905.51,5826.77 2931.1,5801.18 v1(2931.1,5787.4) ; v1@2850.39,5657.06 2853.91,5653.54 2980.32,5653.54 3007.87,5681.1 v1(3007.87,5728.35) ; 2649.61,5608.27 2667.32,5590.55 2783.46,5590.55 v1(2848.43,5655.51) 2848.43,5746.73 2836.09,5759.06 2832.68,5759.06 2822.27,5769.47 2809.27,5769.47 ; 2809.27,5769.47 2811.02,5771.23 2811.02,5789.37